# KiCad board PiEEG.kicad_pcb (continued)
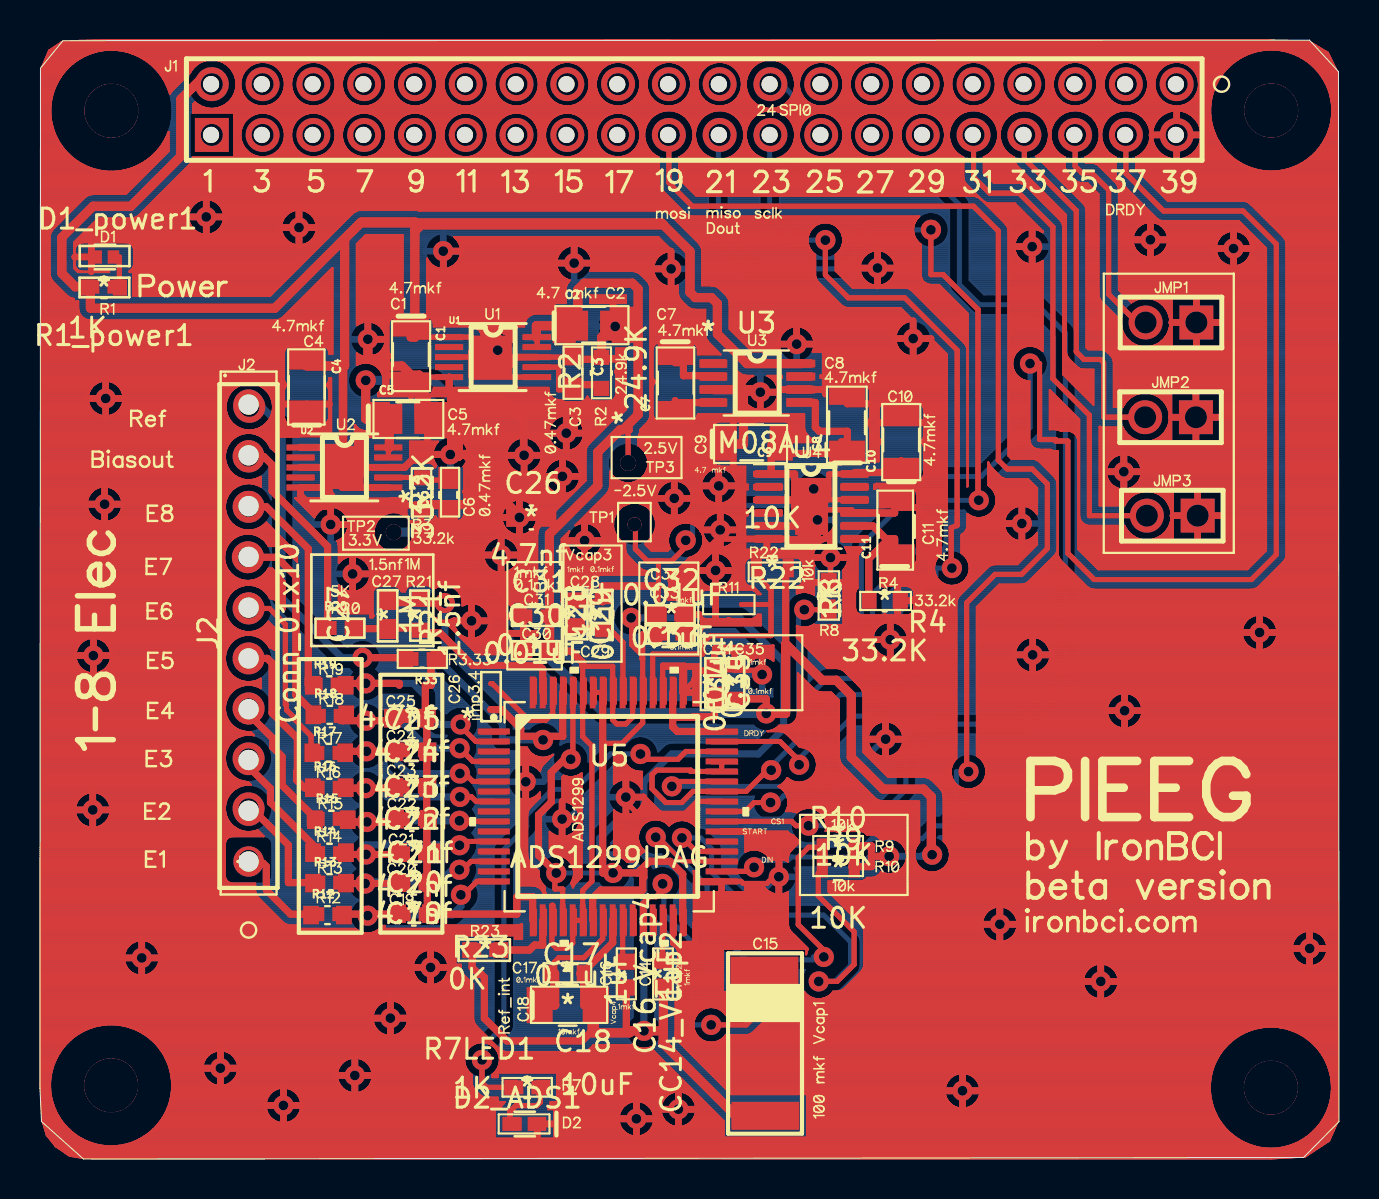
[diagram p0: board, top side]
## Routing (per net, layer and track width the routed paths; a pad name or vN(x,y) marks a point on that pad's centre or on a via; arc(x,y) is an arc through that point) (continued)
; 15.27,30.09 15.21,30.06 ; 15.27,30.09 15.34,30.11 ; 15.27,30.09 15.21,30.06 ; 15.34,30.11 15.41,30.13 ; 15.34,30.11 15.41,30.13 ; 14.74,54.12 14.76,54.02 ; 14.74,54.12 14.76,54.02 ; 14.74,54.12 14.7,54.21 ; 14.74,54.12 14.7,54.21 ; 55.34,40.62 55.24,40.62 ; 55.34,40.62 55.44,40.62 ; 55.34,40.62 55.44,40.62 ; 55.34,40.62 55.24,40.62 ; 55.24,40.62 55.14,40.63 ; 55.24,40.62 55.14,40.63 ; 59.3,46.35 59.36,46.38 ; 59.3,46.35 59.24,46.32 ; 59.3,46.35 59.24,46.32 ; 59.3,46.35 59.36,46.38 ; 59.36,46.38 59.43,46.4 ; 59.36,46.38 59.43,46.4 ; 1.91,42.62 1.91,42.91 ; 1.91,42.62 1.91,42.52 ; 1.91,42.62 1.91,42.52 ; 1.91,42.62 1.91,42.91 ; 1.91,42.91 1.69,42.91 ; 1.91,42.91 1.69,42.91 ; 25.83,44.83 25.83,44.9 ; 25.83,44.83 25.83,44.76 ; 25.83,44.83 25.83,44.9 ; 25.83,44.83 25.83,44.76 ; 19.81,44.6 19.75,44.63 ; 19.81,44.6 19.75,44.63 ; 19.75,44.63 19.69,44.67 ; 19.75,44.63 19.69,44.67 ; 54.38,36.27 54.31,36.35 ; 54.38,36.27 54.31,36.35 ; 54.38,36.27 54.45,36.2 ; 54.38,36.27 54.45,36.2 ; 54.31,36.35 54.25,36.43 ; 54.31,36.35 54.25,36.43 ; 54.34,31.5 54.4,31.42 ; 54.34,31.5 54.4,31.42 ; 35.88,37.48 35.81,37.5 ; 35.88,37.48 35.81,37.5 ; 35.88,37.48 35.95,37.48 ; 35.88,37.48 35.95,37.48 ; 43.52,43.52 43.56,43.5 ; 43.52,43.52 43.49,43.54 ; 43.52,43.52 43.49,43.54 ; 43.52,43.52 43.56,43.5 ; 27.01,37.87 26.28,37.87 ; 27.01,37.87 26.28,37.87 ; 26.28,37.87 26.22,37.88 ; 26.28,37.87 26.22,37.88 ; 15.79,11.51 12.94,11.52 ; 15.79,11.51 15.83,11.48 ; 15.79,11.51 15.83,11.48 ; 15.79,11.51 12.94,11.52 ; 24.95,51.18 24.94,51.08 ; 24.95,51.18 24.95,51.28 ; 24.95,51.18 24.94,51.08 ; 24.95,51.18 24.95,51.28 ; 24.94,51.08 24.92,50.99 ; 24.94,51.08 24.92,50.99 ; 50.45,25.62 50.48,25.56 ; 50.45,25.62 50.48,25.56 ; 50.48,25.56 50.5,25.49 ; 50.48,25.56 50.5,25.49 ; 64.36,10.8 64.37,10.74 ; 64.36,10.8 64.33,10.87 ; 64.36,10.8 64.33,10.87 ; 64.36,10.8 64.37,10.74 ; 16.34,29.82 16.38,29.76 ; 16.34,29.82 16.38,29.76 ; 16.34,29.82 16.3,29.87 ; 16.34,29.82 16.3,29.87 ; 16.38,29.76 16.42,29.7 ; 16.38,29.76 16.42,29.7 ; 45.35,3.82 45.39,3.89 ; 45.35,3.82 45.39,3.89 ; 45.35,3.82 45.32,3.76 ; 45.35,3.82 45.32,3.76 ; 45.39,3.89 45.43,3.94 ; 45.39,3.89 45.43,3.94 ; 44.64,50.23 44.55,50.19 ; 44.64,50.23 44.73,50.28 ; 44.64,50.23 44.73,50.28 ; 44.64,50.23 44.55,50.19 ; 44.55,50.19 44.45,50.16 ; 44.55,50.19 44.45,50.16 ; 47.55,12.51 47.61,12.54 ; 47.55,12.51 47.61,12.54 ; 47.61,12.54 47.67,12.57 ; 47.61,12.54 47.67,12.57 ; 43.5,28.64 43.53,28.62 ; 43.5,28.64 43.53,28.62 ; 43.5,28.64 43.46,28.65 ; 43.5,28.64 43.46,28.65 ; 43.53,28.62 43.57,28.6 ; 43.53,28.62 43.57,28.6 ; 12.98,36.16 13.08,36.16 ; 12.98,36.16 13.08,36.16 ; 12.98,36.16 12.94,36.15 ; 12.98,36.16 12.94,36.15 ; 37.86,28.61 37.86,28.29 ; 37.86,28.61 37.86,28.63 ; 37.86,28.61 37.86,28.29 ; 37.86,28.61 37.86,28.63 ; 37.86,28.29 37.93,28.32 ; 37.86,28.29 37.93,28.32 ; 9.92,21.11 10.01,21.15 ; 9.92,21.11 9.83,21.07 ; 9.92,21.11 10.01,21.15 ; 9.92,21.11 9.83,21.07 ; 10.01,21.15 10.11,21.18 ; 10.01,21.15 10.11,21.18 ; 24.15,19.75 24.22,19.76 ; 24.15,19.75 24.22,19.76 ; 24.15,19.75 24.08,19.74 ; 24.15,19.75 24.08,19.74 ; 24.22,19.76 24.29,19.77 ; 24.22,19.76 24.29,19.77 ; 32.06,1.61 32,1.6 ; 32.06,1.61 32.13,1.62 ; 32.06,1.61 32.13,1.62 ; 32.06,1.61 32,1.6 ; 32,1.6 31.93,1.6 ; 32,1.6 31.93,1.6 ; 21.95,52.87 21.87,52.82 ; 21.95,52.87 21.87,52.82 ; 21.95,52.87 22.03,52.94 ; 21.95,52.87 22.03,52.94 ; 35.57,39.13 35.63,39.16 ; 35.57,39.13 35.51,39.09 ; 35.57,39.13 35.51,39.09 ; 35.57,39.13 35.63,39.16 ; 35.63,39.16 35.68,39.18 ; 35.63,39.16 35.68,39.18 ; 46.41,42.29 44.97,43.73 ; 46.41,42.29 46.41,33.66 ; 46.41,42.29 44.97,43.73 ; 46.41,42.29 46.41,33.66 ; 44.97,43.73 44.57,43.73 ; 44.97,43.73 44.57,43.73 ; 16.01,28.46 15.94,28.43 ; 16.01,28.46 15.94,28.43 ; 38.67,29.88 38.69,29.81 ; 38.67,29.88 38.69,29.81 ; 2.68,26.08 2.75,26.08 ; 2.68,26.08 2.75,26.08 ; 28.81,15.19 28.86,15.18 ; 28.81,15.19 28.86,15.18 ; 28.81,15.19 28.76,15.2 ; 28.81,15.19 28.76,15.2 ; 31.06,52.73 30.97,52.77 ; 31.06,52.73 31.16,52.7 ; 31.06,52.73 31.16,52.7 ; 31.06,52.73 30.97,52.77 ; 30.97,52.77 30.88,52.82 ; 30.97,52.77 30.88,52.82 ; 56.16,37.97 56.09,38.04 ; 56.16,37.97 56.09,38.04 ; 21.95,54.67 22.03,54.61 ; 21.95,54.67 21.87,54.73 ; 21.95,54.67 22.03,54.61 ; 21.95,54.67 21.87,54.73 ; 22.03,54.61 22.1,54.54 ; 22.03,54.61 22.1,54.54 ; 32.77,37 32.81,37.04 ; 32.77,37 32.81,37.04 ; 15.16,3.51 15.11,3.56 ; 15.16,3.51 15.22,3.46 ; 15.16,3.51 15.11,3.56 ; 15.16,3.51 15.22,3.46 ; 15.11,3.56 15.06,3.61 ; 15.11,3.56 15.06,3.61 ; 28.77,17.39 28.72,17.43 ; 28.77,17.39 28.72,17.43 ; 52.97,51.53 52.99,51.44 ; 52.97,51.53 52.94,51.63 ; 52.97,51.53 52.94,51.63 ; 52.97,51.53 52.99,51.44 ; 52.99,51.44 53.01,51.34 ; 52.99,51.44 53.01,51.34 ; 26.91,36.99 26.85,37.03 ; 26.91,36.99 26.85,37.03 ; 24.22,41.74 24.23,41.78 ; 24.22,41.74 24.22,41.65 ; 24.22,41.74 24.22,41.65 ; 24.22,41.74 24.23,41.78 ; 24.23,41.78 24.24,41.83 ; 24.23,41.78 24.24,41.83 ; 58.94,45.09 58.9,45.16 ; 58.94,45.09 58.97,45.04 ; 58.94,45.09 58.9,45.16 ; 58.94,45.09 58.97,45.04 ; 58.9,45.16 58.87,45.22 ; 58.9,45.16 58.87,45.22 ; 17.75,38.19 17.71,38.2 ; 17.75,38.19 17.79,38.18 ; 17.75,38.19 17.79,38.18 ; 17.75,38.19 17.71,38.2 ; 17.71,38.2 17.67,38.21 ; 17.71,38.2 17.67,38.21 ; 61.35,27.16 61.41,27.13 ; 61.35,27.16 61.41,27.13 ; 61.41,27.13 61.47,27.1 ; 61.41,27.13 61.47,27.1 ; 29.08,30.9 29.12,30.86 ; 29.08,30.9 29.12,30.86 ; 12.22,54.02 12.24,53.92 ; 12.22,54.02 12.24,53.92 ; 12.22,54.02 12.2,54.12 ; 12.22,54.02 12.2,54.12 ; 12.24,53.92 12.25,53.82 ; 12.24,53.92 12.25,53.82 ; 12.25,36.93 12.27,36.9 ; 12.25,36.93 12.27,36.9 ; 33.92,28.56 33.85,28.56 ; 33.92,28.56 33.99,28.58 ; 33.92,28.56 33.85,28.56 ; 33.92,28.56 33.99,28.58 ; 33.85,28.56 33.78,28.55 ; 33.85,28.56 33.78,28.55 ; 54.84,33.75 54.78,33.7 ; 54.84,33.75 54.78,33.7 ; 37.77,51.18 37.76,51.08 ; 37.77,51.18 37.76,51.08 ; 37.77,51.18 37.77,51.23 ; 37.77,51.18 37.77,51.23 ; 37.76,51.08 37.74,50.99 ; 37.76,51.08 37.74,50.99 ; 52.76,53.25 52.71,53.16 ; 52.76,53.25 52.8,53.34 ; 52.76,53.25 52.8,53.34 ; 52.76,53.25 52.71,53.16 ; 15.73,52.24 15.82,52.28 ; 15.73,52.24 15.64,52.19 ; 15.73,52.24 15.82,52.28 ; 15.73,52.24 15.64,52.19 ; 40.74,54.47 40.81,54.54 ; 40.74,54.47 40.69,54.39 ; 40.74,54.47 40.69,54.39 ; 40.74,54.47 40.81,54.54 ; 40.81,54.54 40.88,54.61 ; 40.81,54.54 40.88,54.61 ; 24.4,42.12 24.43,42.15 ; 24.4,42.12 24.37,42.08 ; 24.4,42.12 24.43,42.15 ; 24.4,42.12 24.37,42.08 ; 42.12,17.9 37.44,17.9 42.12,17.9 ; 42.12,17.9 42.17,17.9 ; 42.12,17.9 42.17,17.9 ; 22.35,30.75 22.39,30.8 ; 22.35,30.75 22.31,30.69 ; 22.35,30.75 22.39,30.8 ; 22.35,30.75 22.31,30.69 ; 22.39,30.8 22.44,30.86 ; 22.39,30.8 22.44,30.86 ; 33.16,31.69 33.14,31.62 ; 33.16,31.69 33.14,31.62 ; 33.3,26.64 33.34,26.66 ; 33.3,26.64 33.27,26.62 ; 33.3,26.64 33.34,26.66 ; 33.3,26.64 33.27,26.62 ; 51.44,40.05 51.47,40.02 ; 51.44,40.05 51.47,40.02 ; 8.16,4.76 8.18,4.83 ; 8.16,4.76 8.14,4.69 ; 8.16,4.76 8.18,4.83 ; 8.16,4.76 8.14,4.69 ; 8.18,4.83 8.2,4.89 ; 8.18,4.83 8.2,4.89 ; 9.33,37.96 9.36,38.05 ; 9.33,37.96 9.31,37.86 ; 9.33,37.96 9.36,38.05 ; 9.33,37.96 9.31,37.86 ; 34.76,37.26 34.76,39.53 ; 34.76,37.26 34.76,39.53 ; 34.5,28.45 34.44,28.42 ; 34.5,28.45 34.44,28.42 ; 19.15,52.28 19.05,52.31 ; 19.15,52.28 19.05,52.31 ; 12.56,40.71 12.69,40.71 ; 12.56,40.71 12.5,40.7 ; 12.56,40.71 12.5,40.7 ; 12.56,40.71 12.69,40.71 ; 12.69,40.71 14.12,40.71 ; 12.69,40.71 14.12,40.71 ; 10.58,36.45 10.48,36.45 ; 10.58,36.45 10.48,36.45 ; 10.48,36.45 10.38,36.45 ; 10.48,36.45 10.38,36.45 ; 23.21,31.64 23.18,31.7 ; 23.21,31.64 23.25,31.58 ; 23.21,31.64 23.18,31.7 ; 23.21,31.64 23.25,31.58 ; 23.18,31.7 23.15,31.77 ; 23.18,31.7 23.15,31.77 ; 40.16,54.02 40.18,53.92 ; 40.16,54.02 40.14,54.12 ; 40.16,54.02 40.18,53.92 ; 40.16,54.02 40.14,54.12 ; 40.18,53.92 40.19,53.82 ; 40.18,53.92 40.19,53.82 ; 5.86,5.69 5.96,5.58 ; 5.86,5.69 5.76,5.8 ; 5.86,5.69 5.76,5.8 ; 5.86,5.69 5.96,5.58 ; 5.96,5.58 6.05,5.45 ; 5.96,5.58 6.05,5.45 ; 52.79,9.74 52.86,9.75 ; 52.79,9.74 52.72,9.71 ; 52.79,9.74 52.86,9.75 ; 52.79,9.74 52.72,9.71 ; 52.86,9.75 52.93,9.77 ; 52.86,9.75 52.93,9.77 ; 13.87,50.14 13.78,50.12 ; 13.87,50.14 13.78,50.12 ; 13.87,50.14 13.97,50.16 ; 13.87,50.14 13.97,50.16 ; 13.78,50.12 13.68,50.12 ; 13.78,50.12 13.68,50.12 ; 37.24,18.39 37.21,18.43 ; 37.24,18.39 37.21,18.43 ; 55.43,53.72 55.42,53.62 ; 55.43,53.72 55.43,53.82 ; 55.43,53.72 55.42,53.62 ; 55.43,53.72 55.43,53.82 ; 55.42,53.62 55.4,53.53 ; 55.42,53.62 55.4,53.53 ; 23.03,53 23.1,52.94 ; 23.03,53 23.1,52.94 ; 0.48,44.26 0.49,44.22 ; 0.48,44.26 0.49,44.22 ; 25.59,20.19 25.55,20.16 ; 25.59,20.19 25.66,20.23 ; 25.59,20.19 25.55,20.16 ; 25.59,20.19 25.66,20.23 ; 25.55,20.16 25.5,20.14 ; 25.55,20.16 25.5,20.14 ; 37.45,30.49 37.45,31.11 ; 37.45,30.49 37.45,31.11 ; 44.82,14.36 44.77,14.35 ; 44.82,14.36 44.87,14.37 ; 44.82,14.36 44.77,14.35 ; 44.82,14.36 44.87,14.37 ; 31.93,43.17 31.92,43.22 ; 31.93,43.17 31.92,43.22 ; 42.49,51.93 42.55,51.85 ; 42.49,51.93 42.42,52 ; 42.49,51.93 42.42,52 ; 42.49,51.93 42.55,51.85 ; 42.55,51.85 42.6,51.76 ; 42.55,51.85 42.6,51.76 ; 48.9,11.67 48.89,11.6 ; 48.9,11.67 48.89,11.6 ; 48.9,11.67 48.9,11.74 ; 48.9,11.67 48.9,11.74 ; 48.89,11.6 48.87,11.53 ; 48.89,11.6 48.87,11.53 ; 19.41,52.87 19.33,52.82 ; 19.41,52.87 19.49,52.94 ; 19.41,52.87 19.49,52.94 ; 19.41,52.87 19.33,52.82 ; 37.44,21.7 37.39,21.69 ; 37.44,21.7 37.49,21.71 ; 37.44,21.7 37.49,21.71 ; 37.44,21.7 37.39,21.69 ; 37.39,21.69 37.34,21.68 ; 37.39,21.69 37.34,21.68 ; 38.42,50.33 38.34,50.4 ; 38.42,50.33 38.5,50.28 ; 38.42,50.33 38.34,50.4 ; 38.42,50.33 38.5,50.28 ; 38.34,50.4 38.27,50.46 ; 38.34,50.4 38.27,50.46 ; 43.39,25.76 43.37,25.7 ; 43.39,25.76 43.37,25.7 ; 43.37,25.7 43.35,25.63 ; 43.37,25.7 43.35,25.63 ; 18.71,9.25 18.69,9.32 ; 18.71,9.25 18.74,9.19 ; 18.71,9.25 18.74,9.19 ; 18.71,9.25 18.69,9.32 ; 13.48,54.87 13.58,54.88 ; 13.48,54.87 13.58,54.88 ; 13.48,54.87 13.38,54.85 ; 13.48,54.87 13.38,54.85 ; 13.58,54.88 13.68,54.89 ; 13.58,54.88 13.68,54.89 ; 9.29,37.76 9.31,37.86 ; 9.29,37.76 9.29,37.66 ; 9.29,37.76 9.31,37.86 ; 9.29,37.76 9.29,37.66 ; 62.35,30.23 62.35,30.19 ; 62.35,30.23 62.35,30.19 ; 62.35,30.23 62.35,45.72 ; 62.35,30.23 62.35,45.72 ; 62.35,30.19 62.34,30.15 ; 62.35,30.19 62.34,30.15 ; 45.25,3.49 45.26,3.56 ; 45.25,3.49 45.25,3.42 ; 45.25,3.49 45.25,3.42 ; 45.25,3.49 45.26,3.56 ; 45.26,3.56 45.28,3.63 ; 45.26,3.56 45.28,3.63 ; 1.52,50.19 1.41,50.29 ; 1.52,50.19 1.63,50.09 ; 1.52,50.19 1.63,50.09 ; 1.52,50.19 1.41,50.29 ; 1.41,50.29 1.3,50.4 ; 1.41,50.29 1.3,50.4 ; 37.45,11.53 37.44,11.57 ; 37.45,11.53 37.47,11.49 ; 37.45,11.53 37.44,11.57 ; 37.45,11.53 37.47,11.49 ; 41.91,52.31 42.01,52.28 ; 41.91,52.31 41.81,52.33 ; 41.91,52.31 42.01,52.28 ; 41.91,52.31 41.81,52.33 ; 56.39,41.27 56.34,41.19 ; 56.39,41.27 56.44,41.36 ; 56.39,41.27 56.34,41.19 ; 56.39,41.27 56.44,41.36 ; 56.34,41.19 56.29,41.11 ; 56.34,41.19 56.29,41.11 ; 46.29,40.77 46.31,40.73 ; 46.29,40.77 46.26,40.8 ; 46.29,40.77 46.31,40.73 ; 46.29,40.77 46.26,40.8 ; 46.31,40.73 46.33,40.7 ; 46.31,40.73 46.33,40.7 ; 47.55,32.29 47.51,32.26 ; 47.55,32.29 47.51,32.26 ; 47.51,32.26 47.47,32.23 ; 47.51,32.26 47.47,32.23 ; 20.01,26.89 20.06,26.88 ; 20.01,26.89 20.06,26.88 ; 37.95,28.66 37.89,28.64 ; 37.95,28.66 38,28.69 ; 37.95,28.66 37.89,28.64 ; 37.95,28.66 38,28.69 ; 37.89,28.64 37.86,28.63 ; 37.89,28.64 37.86,28.63 ; 0.5,3.6 0.5,3.75 ; 0.5,3.6 0.5,3.75 ; 0.5,3.6 0.51,3.45 ; 0.5,3.6 0.51,3.45 ; 14.86,4.12 14.86,4.19 ; 14.86,4.12 14.87,4.05 ; 14.86,4.12 14.87,4.05 ; 14.86,4.12 14.86,4.19 ; 14.86,4.19 14.86,4.26 ; 14.86,4.19 14.86,4.26 ; 25.24,13.47 25.24,13.56 ; 25.24,13.47 25.25,13.43 ; 25.24,13.47 25.24,13.56 ; 25.24,13.47 25.25,13.43 ; 25.24,13.56 25.24,13.63 ; 25.24,13.56 25.24,13.63 ; 35.99,25.12 36.06,25.13 ; 35.99,25.12 35.92,25.11 ; 35.99,25.12 35.92,25.11 ; 35.99,25.12 36.06,25.13 ; 36.06,25.13 36.13,25.13 ; 36.06,25.13 36.13,25.13 ; 31.96,16.94 32.01,16.95 ; 31.96,16.94 31.91,16.93 ; 31.96,16.94 32.01,16.95 ; 31.96,16.94 31.91,16.93 ; 32.01,16.95 32.06,16.96 ; 32.01,16.95 32.06,16.96 ; 20.43,9.65 20.43,9.58 ; 20.43,9.65 20.43,9.58 ; 20.43,9.58 20.43,9.58 ; 20.43,9.58 20.43,9.58 ; 9.48,3.78 9.42,3.75 ; 9.48,3.78 9.54,3.82 ; 9.48,3.78 9.42,3.75 ; 9.48,3.78 9.54,3.82 ; 9.42,3.75 9.36,3.72 ; 9.42,3.75 9.36,3.72 ; 53.07,9.78 53.14,9.77 ; 53.07,9.78 53.14,9.77 ; 53.07,9.78 53,9.77 ; 53.07,9.78 53,9.77 ; 15,33.05 14.95,33.06 ; 15,33.05 15.04,33.04 ; 15,33.05 14.95,33.06 ; 15,33.05 15.04,33.04 ; 14.95,33.06 14.91,33.08 ; 14.95,33.06 14.91,33.08 ; 34.48,54.78 34.57,54.73 ; 34.48,54.78 34.39,54.82 ; 34.48,54.78 34.39,54.82 ; 34.48,54.78 34.57,54.73 ; 34.57,54.73 34.65,54.67 ; 34.57,54.73 34.65,54.67 ; 12.21,40.41 12.23,40.47 ; 12.21,40.41 12.23,40.47 ; 50.15,52.06 50.22,51.98 ; 50.15,52.06 50.22,51.98 ; 50.15,52.06 50.08,52.13 ; 50.15,52.06 50.08,52.13 ; 50.22,51.98 50.27,51.9 ; 50.22,51.98 50.27,51.9 ; 47.25,19 47.23,18.95 ; 47.25,19 47.23,18.95 ; 47.23,18.95 47.2,18.91 ; 47.23,18.95 47.2,18.91 ; 29.99,36.25 29.97,36.21 ; 29.99,36.25 29.97,36.21 ; 49.57,24.34 49.5,24.34 ; 49.57,24.34 49.64,24.33 ; 49.57,24.34 49.64,24.33 ; 49.57,24.34 49.5,24.34 ; 49.5,24.34 49.44,24.36 ; 49.5,24.34 49.44,24.36 ; 48.63,39.74 48.63,39.79 ; 48.63,39.74 48.63,39.79 ; 48.63,39.74 48.63,39.69 ; 48.63,39.74 48.63,39.69 ; 9.26,14.11 9.25,14.17 ; 9.26,14.11 9.27,14.05 ; 9.26,14.11 9.25,14.17 ; 9.26,14.11 9.27,14.05 ; 9.25,14.17 9.25,15.8 ; 9.25,14.17 9.25,15.8 ; 43.18,21.14 43.19,21.07 ; 43.18,21.14 43.17,21.21 ; 43.18,21.14 43.19,21.07 ; 43.18,21.14 43.17,21.21 ; 36.23,50.04 36.13,50.07 ; 36.23,50.04 36.13,50.07 ; 38.18,28.92 38.16,28.87 ; 38.18,28.92 38.16,28.87 ; 38.16,28.87 38.13,28.81 ; 38.16,28.87 38.13,28.81 ; 24.5,18 24.43,17.99 ; 24.5,18 24.43,17.99 ; 36.74,13.25 36.67,13.27 ; 36.74,13.25 36.81,13.24 ; 36.74,13.25 36.81,13.24 ; 36.74,13.25 36.67,13.27 ; 17.13,7.85 17.19,7.88 ; 17.13,7.85 17.19,7.88 ; 12.94,3.14 12.98,3.08 ; 12.94,3.14 12.98,3.08 ; 16.92,39.59 16.96,39.55 ; 16.92,39.59 16.89,39.62 ; 16.92,39.59 16.89,39.62 ; 16.92,39.59 16.96,39.55 ; 16.96,39.55 16.99,39.51 ; 16.96,39.55 16.99,39.51 ; 61.03,6.58 61.18,6.6 ; 61.03,6.58 60.88,6.55 ; 61.03,6.58 60.88,6.55 ; 61.03,6.58 61.18,6.6 ; 61.18,6.6 61.33,6.61 ; 61.18,6.6 61.33,6.61 ; 32.73,2.89 32.76,2.83 ; 32.73,2.89 32.76,2.83 ; 7.44,47.28 7.45,47.35 ; 7.44,47.28 7.43,47.21 ; 7.44,47.28 7.45,47.35 ; 7.44,47.28 7.43,47.21 ; 7.45,47.35 7.47,47.41 ; 7.45,47.35 7.47,47.41 ; 50.35,53.72 50.34,53.62 ; 50.35,53.72 50.35,53.82 ; 50.35,53.72 50.35,53.82 ; 50.35,53.72 50.34,53.62 ; 50.34,53.62 50.32,53.53 ; 50.34,53.62 50.32,53.53 ; 61.08,27.23 61.15,27.22 ; 61.08,27.23 61.01,27.23 ; 61.08,27.23 61.01,27.23 ; 61.08,27.23 61.15,27.22 ; 18.76,52.66 18.66,52.66 ; 18.76,52.66 18.66,52.66 ; 32.57,53.72 32.56,53.62 ; 32.57,53.72 32.56,53.62 ; 18.1,50.33 18.02,50.4 ; 18.1,50.33 18.18,50.28 ; 18.1,50.33 18.18,50.28 ; 18.1,50.33 18.02,50.4 ; 18.02,50.4 17.95,50.46 ; 18.02,50.4 17.95,50.46 ; 21.56,38.61 21.55,38.6 ; 21.56,38.61 21.55,38.6 ; 37.57,11.36 37.54,11.39 ; 37.57,11.36 38.41,10.52 ; 37.57,11.36 37.54,11.39 ; 37.57,11.36 38.41,10.52 ; 37.54,11.39 37.51,11.42 ; 37.54,11.39 37.51,11.42 ; 37.78,16.08 37.75,16.12 ; 37.78,16.08 37.75,16.12 ; 23.1,52.07 23.03,52 ; 23.1,52.07 23.03,52 ; 5.15,9.17 5.08,9.17 ; 5.15,9.17 5.08,9.17 ; 5.08,9.17 5.01,9.17 ; 5.08,9.17 5.01,9.17 ; 23.74,54.88 23.84,54.89 ; 23.74,54.88 23.64,54.87 ; 23.74,54.88 23.64,54.87 ; 23.74,54.88 23.84,54.89 ; 23.84,54.89 23.94,54.88 ; 23.84,54.89 23.94,54.88 ; 26.11,37.93 26.06,37.96 ; 26.11,37.93 26.06,37.96 ; 26.11,37.93 26.16,37.9 ; 26.11,37.93 26.16,37.9 ; 26.06,37.96 26.01,37.97 ; 26.06,37.96 26.01,37.97 ; 44.73,29.71 44.74,29.76 ; 44.73,29.71 44.74,29.76 ; 44.73,29.71 44.73,29.66 ; 44.73,29.71 44.73,29.66 ; 44.74,29.76 44.75,29.81 ; 44.74,29.76 44.75,29.81 ; 15.1,53.82 15.1,53.72 ; 15.1,53.82 15.1,53.72 ; 36.67,52.46 36.77,52.45 ; 36.67,52.46 36.57,52.47 ; 36.67,52.46 36.77,52.45 ; 36.67,52.46 36.57,52.47 ; 36.77,52.45 36.87,52.42 ; 36.77,52.45 36.87,52.42 ; 23.02,2.54 23.04,2.58 ; 23.02,2.54 23.04,2.58 ; 23.02,2.54 23.01,2.49 ; 23.02,2.54 23.01,2.49 ; 23.04,2.58 23.05,2.61 ; 23.04,2.58 23.05,2.61 ; 11.54,2.06 11.49,2.11 ; 11.54,2.06 11.59,2.01 ; 11.54,2.06 11.59,2.01 ; 11.54,2.06 11.49,2.11 ; 11.49,2.11 11.45,2.16 ; 11.49,2.11 11.45,2.16 ; 29.44,19.6 29.41,19.63 ; 29.44,19.6 29.41,19.63 ; 29.41,19.63 29.37,19.67 ; 29.41,19.63 29.37,19.67 ; 48.64,39.94 48.65,39.99 ; 48.64,39.94 48.65,39.99 ; 22.18,30.09 22.2,30.02 ; 22.18,30.09 22.2,30.02 ; 35.54,51.96 35.48,51.87 ; 35.54,51.96 35.48,51.87 ; 16.91,38.31 16.91,38.16 ; 16.91,38.31 16.91,38.16 ; 16.91,38.31 16.96,38.36 ; 16.91,38.31 16.96,38.36 ; 10.93,13.06 10.9,13.09 ; 10.93,13.06 12.1,11.89 ; 10.93,13.06 12.1,11.89 ; 10.93,13.06 10.9,13.09 ; 10.9,13.09 10.87,13.13 ; 10.9,13.09 10.87,13.13 ; 5.93,50.51 6.02,50.62 ; 5.93,50.51 6.02,50.62 ; 64.54,4.25 64.57,4.1 ; 64.54,4.25 64.57,4.1 ; 43.88,33.26 43.88,32.67 ; 43.88,33.26 43.88,33.3 ; 43.88,33.26 43.88,33.3 ; 43.88,33.26 43.88,32.67 ; 43.88,32.67 43.88,31.92 ; 43.88,32.67 43.88,31.92 ; 55.09,34.52 55.1,34.45 ; 55.09,34.52 55.08,34.59 ; 55.09,34.52 55.1,34.45 ; 55.09,34.52 55.08,34.59 ; 30.74,44.19 30.72,44.26 ; 30.74,44.19 30.72,44.26 ; 30.74,44.19 30.77,44.13 ; 30.74,44.19 30.77,44.13 ; 30.72,44.26 30.7,44.32 ; 30.72,44.26 30.7,44.32 ; 31.75,54.85 31.85,54.82 ; 31.75,54.85 31.85,54.82 ; 49.66,26.12 49.73,26.11 ; 49.66,26.12 49.59,26.11 ; 49.66,26.12 49.73,26.11 ; 49.66,26.12 49.59,26.11 ; 49.73,26.11 49.8,26.1 ; 49.73,26.11 49.8,26.1 ; 33.9,54.88 34,54.89 ; 33.9,54.88 34,54.89 ; 33.9,54.88 33.8,54.87 ; 33.9,54.88 33.8,54.87 ; 34,54.89 34.1,54.88 ; 34,54.89 34.1,54.88 ; 42.87,20.32 42.81,20.28 ; 42.87,20.32 42.92,20.37 ; 42.87,20.32 42.81,20.28 ; 42.87,20.32 42.92,20.37 ; 41.21,11.53 41.19,11.57 ; 41.21,11.53 41.19,11.57 ; 50.9,53.08 50.85,53.16 ; 50.9,53.08 50.97,53 ; 50.9,53.08 50.85,53.16 ; 50.9,53.08 50.97,53 ; 50.85,53.16 50.79,53.25 ; 50.85,53.16 50.79,53.25 ; 45.14,14.5 45.1,14.47 ; 45.14,14.5 45.18,14.53 ; 45.14,14.5 45.1,14.47 ; 45.14,14.5 45.18,14.53 ; 45.1,14.47 45.06,14.45 ; 45.1,14.47 45.06,14.45 ; 47.83,50.75 47.79,50.66 ; 47.83,50.75 47.79,50.66 ; 47.83,50.75 47.87,50.84 ; 47.83,50.75 47.87,50.84 ; 47.79,50.66 47.74,50.57 ; 47.79,50.66 47.74,50.57 ; 52.04,31.96 52.06,31.92 ; 52.04,31.96 52.06,31.92 ; 53.36,22.44 53.36,22.51 ; 53.36,22.44 53.36,22.37 ; 53.36,22.44 53.36,22.51 ; 53.36,22.44 53.36,22.37 ; 53.36,22.51 53.37,22.58 ; 53.36,22.51 53.37,22.58 ; 43.3,43.6 43.34,43.59 ; 43.3,43.6 43.34,43.59 ; 43.34,43.59 43.38,43.58 ; 43.34,43.59 43.38,43.58 ; 35.66,15.49 35.71,15.49 ; 35.66,15.49 35.61,15.48 ; 35.66,15.49 35.71,15.49 ; 35.66,15.49 35.61,15.48 ; 35.71,15.49 35.76,15.49 ; 35.71,15.49 35.76,15.49 ; 43.36,15.1 43.36,15.05 ; 43.36,15.1 43.37,15.15 ; 43.36,15.1 43.36,15.05 ; 43.36,15.1 43.37,15.15 ; 43.36,15.05 43.35,15 ; 43.36,15.05 43.35,15 ; 41.54,43.75 41.48,43.78 ; 41.54,43.75 41.48,43.78 ; 5.57,1.39 5.45,1.29 ; 5.57,1.39 5.45,1.29 ; 27.6,44.96 27.61,44.89 ; 27.6,44.96 27.61,44.89 ; 27.6,44.96 27.59,45.03 ; 27.6,44.96 27.59,45.03 ; 27.61,44.89 27.61,44.82 ; 27.61,44.89 27.61,44.82 ; 6.57,3.19 6.54,3.04 ; 6.57,3.19 6.54,3.04 ; 6.57,3.19 6.59,3.34 ; 6.57,3.19 6.59,3.34 ; 6.54,3.04 6.51,2.9 ; 6.54,3.04 6.51,2.9 ; 23.35,52.77 23.26,52.82 ; 23.35,52.77 23.44,52.73 ; 23.35,52.77 23.26,52.82 ; 23.35,52.77 23.44,52.73 ; 23.26,52.82 23.18,52.87 ; 23.26,52.82 23.18,52.87 ; 24.32,50.23 24.23,50.19 ; 24.32,50.23 24.41,50.28 ; 24.32,50.23 24.23,50.19 ; 24.32,50.23 24.41,50.28 ; 24.23,50.19 24.13,50.16 ; 24.23,50.19 24.13,50.16 ; 22.78,29.37 22.72,29.4 ; 22.78,29.37 22.85,29.35 ; 22.78,29.37 22.85,29.35 ; 22.78,29.37 22.72,29.4 ; 22.72,29.4 22.65,29.43 ; 22.72,29.4 22.65,29.43 ; 55.06,34.1 55.03,34.03 ; 55.06,34.1 55.03,34.03 ; 55.06,34.1 55.08,34.17 ; 55.06,34.1 55.08,34.17 ; 23.27,29.35 23.33,29.37 ; 23.27,29.35 23.33,29.37 ; 21.86,41.55 21.82,41.57 ; 21.86,41.55 21.82,41.57 ; 14.66,53.25 14.61,53.16 ; 14.66,53.25 14.61,53.16 ; 14.66,53.25 14.7,53.34 ; 14.66,53.25 14.7,53.34 ; 14.61,53.16 14.55,53.08 ; 14.61,53.16 14.55,53.08 ; 53.98,23.28 54.05,23.3 ; 53.98,23.28 54.05,23.3